# Altium PCB Плата верхняя версия 7 обычная(pretraced).PcbDoc (part 1 of 2) (continued)
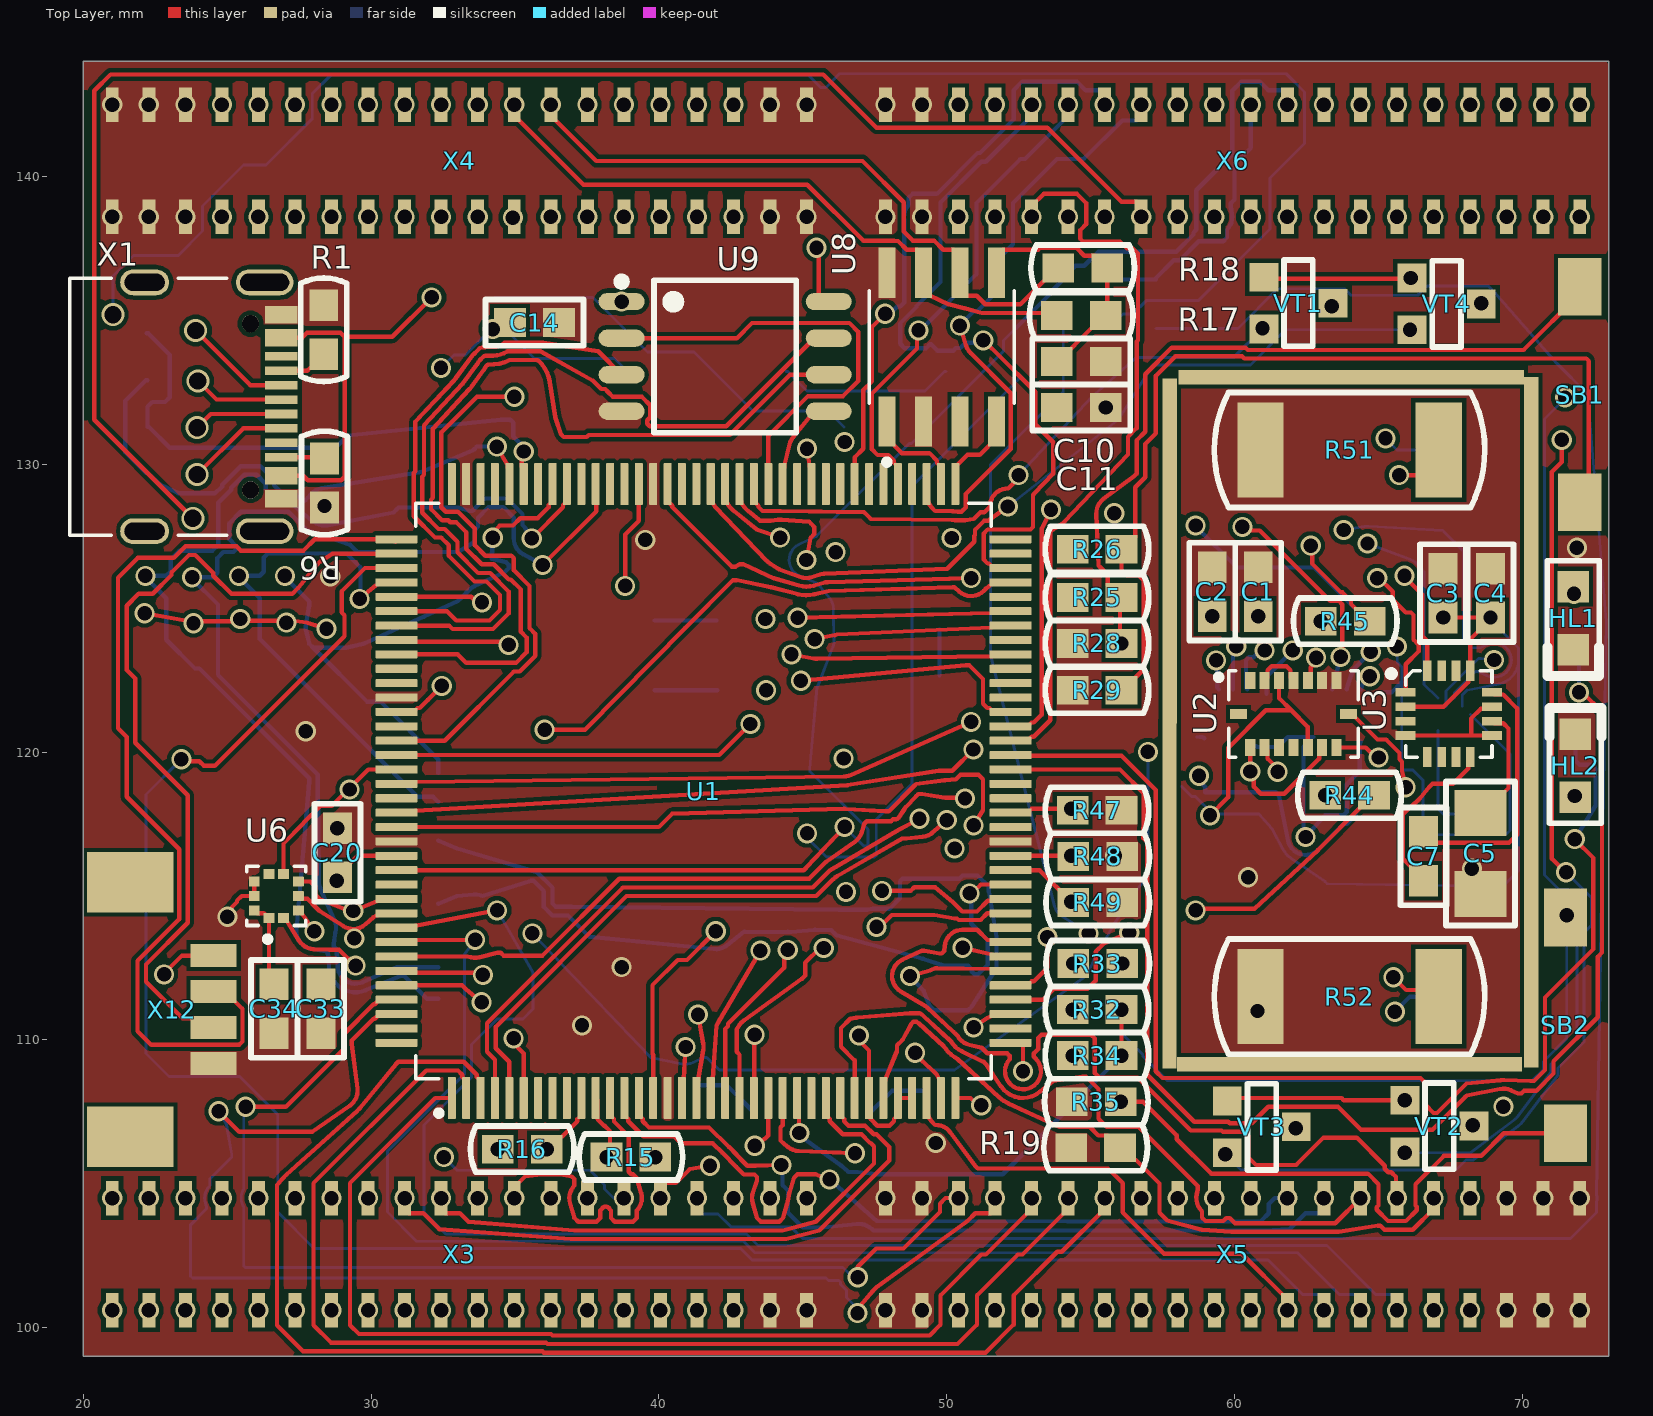
[diagram p0: Top Layer view]
## Nets (pads, with @x,y where several pads share a name; then routed paths per layer and width w, separated by ;. In a path a pad name is that pad's centre, name@x,y a point inside that pad or via, vN(x,y) a via of type N, cw(c..) or ccw(c..) an arc to the next point about the centre after c; other vN are vias at no path point) (continued)
NetR7_2: R7.2 X3.36 X7.36 | length 35.2
  Layer 1 w0.15: v1(42.59,104.5) 42.59,110.356 45.1,112.866 45.1,117.125 v1(45.15,117.175)
  Bottom Layer w0.1: v1(45.15,117.175) 45.15,117.025 45.825,116.35 47.491,116.35 47.55,116.409 47.55,117.652 48.8,118.903 48.8,129.25 52.5,132.95 R7.2@52.5,133
NetR8_1: R8.1 X3.34 X7.34 | length 78.4
  Bottom Layer w0.1: v1(41.32,104.5) 41.32,104.11 41.48,103.95 42.053,103.95 42.503,103.5 44.583,103.5 44.983,103.1 71.682,103.1 72.577,103.995 72.583,104.36 ccw(c72,104.5) 72.588,104.619 72.588,104.629 ; R8.1@57.275,134.725 60.126,134.725 61.501,136.1 63.825,136.1 64.05,135.875 66.374,135.875 66.699,136.2 68.824,136.2 68.998,136.025 cw(c68.575,135.6) 69.026,135.995 71.203,133.511 72.253,132.461 72.279,132.435 72.921,124.529 72.825,118.769 72.825,118.028 72.812,118.016 72.588,104.63
NetR8_2: R8.2 R10.2 U1.124 X6.22 X10.22 | length 60.8
  Top Layer w0.15: U1.124@30.88,119.895 42.095,119.895 v1(43.175,120.975)
  Layer 2 w0.15: v1(43.175,120.975) 44.093,121.645 ccw(c43.725,122.15) 44.313,122.362 44.017,123.183 cw(c44.605,123.395) 43.996,123.255 cw(c44.605,123.395) 43.981,123.409 43.243,124.198 cw(c43.7,124.625) 43.312,125.115 43.763,125.472 ccw(c43.67,125.589) 43.807,125.53 43.82,125.558 43.82,125.589 43.82,125.595 cw(c44.443,125.64) 43.82,125.683 43.82,125.687 ccw(c43.67,125.688) 43.817,125.715 43.586,126.961 cw(c44.2,127.075) 43.584,127.178 43.587,127.461 cw(c44.212,127.454) 43.597,127.567 44.223,130.983 44.257,131.017 46.875,133.635 46.875,142.875 47.125,143.125 59.826,143.125 60.451,142.5 v1(60.57,142.5)
  Bottom Layer w0.15: R10.2@55.675,136.425 R8.2@57.275,136.425 57.275,136.475 57.891,137.091 58.103,137.091 58.762,137.75 58.972,137.75 59.608,137.75 59.74,137.882 59.74,138.156 ccw(c59.3,138.6) 59.917,138.702 59.875,138.951 59.875,139.075 60,139.2 60,140.428 60.57,140.998 v1(60.57,142.5)
NetR9_1: R9.1 X3.32 X7.32 | length 41.9
  Top Layer w0.15: v1(40.05,104.5) 40.05,104.875 40.2,105.025 40.587,105.025 41.075,105.512 v1(41.775,105.625)
  Layer 2 w0.15: v1(41.775,105.625) 41.775,105.653 45.047,108.925 50.252,108.925 50.314,108.925 51.376,109.987 ccw(c50.935,110.43) 51.416,110.031 53.919,113.049 cw(c54.4,112.65) 54.078,113.186 v1(54.934,113.7)
  Bottom Layer w0.1: R9.1@54.05,134.725 54.05,132.517 51.527,129.995 51.527,123.375 53.744,114.652 ccw(c54.325,114.8) 54.002,114.294 v1(54.934,113.7)
NetR10_1: R10.1 X3.30 X7.30 | length 106.5
  Layer 1 w0.15: v2(21.025,135.2) 23.175,133.05 23.175,127.866 24.4,126.641 24.4,126.241 25.391,125.25 28.365,125.25 30.69,122.925 32.709,122.925 34.467,121.167 34.467,115.717 36.225,113.959 36.225,113.441 35.9,113.116 35.9,109.3 v1(32.525,105.925)
  Bottom Layer w0.1: v2(21.025,135.2) 21.025,136.544 21.742,137.261 23.293,137.261 24.14,138.108 24.14,138.983 25.563,140.405 26.347,140.405 27.95,142.008 27.95,142.883 28.592,143.525 45.197,143.525 45.622,143.1 45.8,143.1 46.275,143.575 61.803,143.575 62.44,142.938 62.44,141.146 61.24,139.946 61.24,138.182 58.758,135.7 56.953,135.7 56.478,135.225 56.125,135.225 55.675,134.775 R10.1@55.675,134.725 ; v1(32.525,105.925) 32.983,105.467 37.601,105.467 38.109,104.959 38.109,104.816 38.425,104.5 X7.30@38.765,104.5 v1(38.78,104.5)
NetR11_2: R11.2 U1.98 X2.7 | length 39.8
  Top Layer w0.15: v1(35.957,126.5) 37.825,128.368 U1.98@37.825,128.983
  Bottom Layer w0.15: X2.7@32.325,112.525 31.665,112.525 30.907,112.525 30.893,112.525 29.71,112.005 cw(c29.459,112.577) 28.834,112.553 28.826,112.776 28.824,112.812 28.819,112.838 28.806,113.037 28.791,113.143 28.697,113.254 28.697,113.307 28.697,113.337 28.739,113.664 cw(c29.359,113.583) 28.754,113.741 ccw(c28.15,113.9) 28.722,114.152 28.228,115.273 cw(c28.8,115.525) 28.175,115.52 28.146,119.211 24.675,122.682 24.675,125.125 23.775,126.025 v1(23.775,126.075) 24.5,126.075 24.653,126.228 24.653,126.747 24.857,126.95 25.215,126.95 25.303,127.038 25.303,127.162 25.07,127.395 25.07,127.955 25.465,128.35 27.125,128.35 27.697,127.778 27.741,127.734 29.267,127.2 29.474,126.993 29.518,126.95 32.983,126.95 32.994,126.95 33.022,126.954 33.527,127.265 ccw(c33.448,127.393) 33.598,127.393 33.598,127.727 33.708,127.837 33.708,128.146 34.074,128.512 34.592,128.512 34.958,128.146 34.958,128.021 34.952,127.432 ccw(c35.577,127.426) 35.274,126.88 v1(35.957,126.5)
NetR12_2: R12.2 U1.100 X2.8 | length 41.9
  Top Layer w0.15: v1(35.577,127.426) 35.584,127.426 36.665,128.507 36.665,128.585 36.8,128.72 U1.100@36.8,129.315
  Bottom Layer w0.15: X2.8@32.325,111.425 31.94,111.425 31.14,112.225 31.017,112.225 29.815,111.723 cw(c29.459,112.577) 28.534,112.54 28.526,112.757 28.491,113.019 28.464,113.046 28.428,113.082 27.932,113.156 cw(c28.024,113.774) 27.402,113.828 27.846,118.968 27.846,119.087 24.027,122.906 23.876,122.906 22.878,123.903 22.878,125.347 22.15,126.075 v1(22.15,126.125) 22.875,126.125 23.028,126.278 23.028,126.697 23.332,127 24.483,127 24.683,127.2 24.683,128.665 25.135,129.118 25.135,129.183 25.588,129.635 26.022,129.635 26.33,129.327 26.33,129.145 26.825,128.65 27.249,128.65 27.57,128.329 27.995,128.004 ccw(c28.375,128.5) 28.494,127.886 30.777,128.329 30.904,128.456 30.948,128.5 33.018,128.5 33.408,128.382 ; 33.409,128.382 ccw(c33.452,128.525) 33.558,128.419 33.95,128.812 34.717,128.812 35.258,128.27 35.258,127.892 35.346,127.804 v1(35.577,127.426)
NetR13_2: R13.2 U1.112 X2.2 | length 18.6
  Top Layer w0.15: v1(29.595,125.325) 30.083,125.735 30.22,125.83 U1.112@30.88,125.895
  Bottom Layer w0.15: v1(29.595,125.325) 29.625,125.355 29.625,126.418 29.143,126.9 26.407,126.9 26.266,126.759 26.266,126.266 26.125,126.125 v1(25.4,126.125) 25.4,126.075 26.125,125.35 26.125,123.932 31.607,118.45 32.15,118.45 X2.2@32.325,118.275
NetR14_1: R14.1 U1.101 X2.1 | length 21.7
  Top Layer w0.15: v1(34.223,127.45) 34.223,127.626 34.458,127.861 34.458,127.874 34.925,127.874 35.176,128.125 35.783,128.125 36.165,128.507 36.165,128.585 36.3,128.72 U1.101@36.3,129.315
  Bottom Layer w0.15: v1(27,126.125) 27,126.075 27.85,125.225 27.85,125.101 27.735,124.456 ccw(c28.35,124.346) 27.743,124.199 27.85,123.757 27.982,123.625 ; X2.1@32.325,119.275 32.325,119.75 30.322,121.753 29.853,121.753 27.982,123.625 ; v1(34.223,127.45) 34.209,127.436 34.209,126.943 34.19,126.924 34.19,126.717 34.687,126.599 34.722,126.565 34.775,126.511 34.775,126.387 34.731,126.344 34.644,126.256 33.588,125.767 ccw(c33.85,125.2) 33.406,125.64 33.15,125.382 33.018,125.25 31.836,124.704 29.831,123.805 cw(c29.575,124.375) 29.723,123.768 29.139,123.625 27.982,123.625
NetR15_2: R15.2 U1.11 U3.16 X5.11 X9.11 | length 94.6
  Top Layer w0.15: U1.11@37.8,107.975 37.865,107.91 37.865,107.237 38.087,107.015 38.111,107.015 38.3,106.826 R15.2@38.3,106.175 ; v1(65.909,126.127) 65.909,126.091 66.525,125.475 66.525,124.032 66.7,123.857 U3.16@66.7,122.825
  Layer 2 w0.15: v1(38.175,105.925) 37.275,106.825 35.841,106.825 35.475,106.459 35.475,104.879 35.615,104.739 35.615,104.241 37.656,102.2 44.1,102.2 44.85,101.45 46.327,101.45 46.652,101.125 47.17,101.125 47.495,101.45 53.37,101.45 53.469,101.351 ; v1(54.22,100.6) 53.469,101.351 ; v1(65.909,126.127) 65.412,125.612 cw(c64.962,126.046) 64.795,126.648 ccw(c64.625,127.25) 65.028,126.772 66.808,128.275 72.4,128.275 72.792,127.883 72.875,108.704 cw(c72.25,108.7) 72.875,108.695 72.8,99.539 72.756,99.495 72.361,99.1 54.026,99.1 52.595,100.085 cw(c52.993,100.663) 52.307,100.52 52.305,100.611 ccw(c51.68,100.6) 52.303,100.648 52.296,100.739 cw(c52.993,100.663) 53.013,101.364 53.469,101.351
NetR16_2: R16.2 U1.10 U3.1 X5.9 X9.9 | length 83.6
  Top Layer w0.15: v1(36.1,106.2) 36.525,106.625 36.623,106.625 37.165,107.167 37.165,107.245 37.3,107.38 U1.10@37.3,107.975 ; v1(64.962,126.046) 65.029,126.046 65.5,125.575 65.5,125.3 65.95,124.85 66.137,124.85 66.225,124.762 66.225,123.908 66.4,123.733 66.4,123.5 65.95,123.05 U3.1@65.95,122.075
  Layer 2 w0.15: v1(36.1,106.2) 37,105.3 40.134,105.3 40.675,104.759 40.675,104.261 41.517,103.419 41.561,103.375 41.685,103.375 46.923,103.599 cw(c46.95,102.975) 46.978,103.599 52.329,103.375 54.845,100.859 54.845,100.341 54.479,99.975 53.575,99.975 ; v1(52.95,100.6) 53.575,99.975 ; v1(64.962,126.046) 65.39,126.609 65.675,126.9 65.763,126.988 66.504,126.988 66.508,126.988 70.865,126.775 70.906,126.735 70.95,126.691 70.95,126.567 70.9,115.828 ccw(c71.525,115.825) 70.9,115.815 70.925,114.326 ccw(c71.55,114.325) 70.925,114.321 70.979,105.65 cw(c69.408,104.5) 71.355,104.5 cw(c70.73,104.5) 71.225,104.118 71.225,100.982 cw(c70.73,100.6) 71.345,100.71 71.385,100.489 ccw(c72,100.6) 71.449,100.305 71.551,100.115 cw(c70.342,99.466) 71.711,99.559 cw(c71.561,99.55) 71.562,99.4 54.15,99.4 53.575,99.975
NetR17_1: R17.1 U8.7 X4.24 X8.24 | length 22
  Top Layer w0.15: v1(34.97,142.5) 34.97,142.125 37.377,139.718 45.156,139.718 47.098,137.775 48.181,137.775 48.196,137.76 48.308,137.76 48.608,137.46 48.97,137.46 U8.7@49.19,137.24 ; U8.7@49.19,136.66 49.41,135.86 50.072,135.56 50.609,135.427 cw(c50.459,134.82) 50.624,135.423 51.218,135.26 53.35,135.26 R17.1@53.825,135.175
NetR18_2: R18.2 U8.6 X4.26 X8.26 | length 22.5
  Top Layer w0.15: v1(36.24,142.5) 36.24,142.125 37.823,140.542 47.072,140.542 48.505,139.108 48.505,138.092 48.822,137.775 49.563,137.775 49.878,137.46 50.24,137.46 50.46,137.24 U8.6@50.46,136.66 50.46,136.08 50.68,135.86 51.042,135.86 51.342,135.56 52.56,135.56 53.825,136.825 R18.2@53.875,136.825
NetR19_2: R19.2 U1.31 X5.32 X9.32 | length 25
  Top Layer w0.15: U1.31@47.8,107.975 47.865,108.635 48.264,109.597 ccw(c48.125,109.654) 48.275,109.654 48.275,109.809 48.446,109.979 ccw(c48.339,110.085) 48.47,110.012 48.778,110.563 48.797,110.581 48.841,110.625 48.948,110.625 49.019,110.578 49.027,110.57 49.897,109.771 49.961,109.687 ccw(c50.935,110.43) 50.276,109.397 50.366,109.34 51.821,108.003 ccw(c52.65,108.905) 52.139,107.792 53.919,106.975 53.959,106.975 54.968,106.975 55.268,106.675 55.6,106.675 R19.2@56.025,106.25 56.45,105.825 56.578,105.825 57.395,105.008 57.395,103.992 57.668,103.719 57.722,103.7 58.868,103.4 59.894,103.325 63.629,103.325 64.983,103.543 cw(c65.007,103.395) 65.113,103.501 65.214,103.4 65.749,103.4 66.195,103.4 66.92,104.125 v1(66.92,104.5)
NetR24_1: R24.1 U1.56 | length 47.2
  Top Layer w0.15: U1.56@52.22,119.395 56.023,119.395 56.85,118.568 56.85,117.382 56.834,117.366 56.834,117.009 56.968,116.875 56.968,108.785 58.603,107.15 59.788,107.15 59.838,107.1 60.599,107.1 61.174,107.675 63.601,107.675 64.401,106.875 66.882,106.875 68.026,108.02 68.07,108.063 69.224,108.291 cw(c69.345,107.678) 69.608,108.245 69.849,108.134 69.973,108.134 70.005,108.166 70.064,108.225 70.488,108.225 71.091,108.828 71.091,109.252 72.625,110.786 72.625,112.883 72.775,113.033 72.775,121.4 72.1,122.075 v1(71.975,122.075)
  Bottom Layer w0.15: R24.1@71.8,123.8 71.975,123.625 v1(71.975,122.075)
NetR25_1: R25.1 R28.2 SB1.1 U1.138 | length 57.3
  Top Layer w0.15: U1.138@30.88,112.895 33.343,112.895 33.47,112.866 ccw(c33.61,113.475) 33.765,112.869 34.374,113.025 34.499,113.025 34.599,112.925 35.951,112.925 38.622,115.595 45.157,115.595 45.219,115.595 45.81,116.185 46.81,116.889 ccw(c46.45,117.4) 47.051,117.227 47.131,117.507 47.219,117.595 48.067,117.595 48.136,117.664 48.217,117.664 ccw(c48.216,117.814) 48.341,117.732 48.531,118.023 cw(c49.054,117.68) 48.6,118.11 48.914,118.441 48.917,118.445 49.016,118.544 49.141,118.544 49.946,118.409 49.961,118.408 49.977,118.407 50.615,118.407 v1(50.635,118.387) ; v1(56.075,123.775) 56.025,123.825 56.025,125.375 55.6,125.8 55.6,126.157 55.319,126.438 55.275,126.482 55.201,128.274 cw(c55.825,128.3) 55.453,128.802 56.512,129.588 56.6,129.676 56.6,130.833 56.9,131.133 56.9,133.134 57.823,134.057 60.385,134.057 60.467,133.975 70.05,133.975 72,135.925 SB1.1@72,136.175
  Layer 2 w0.15: v1(50.635,118.387) 50.759,118.512 50.759,118.883 50.937,119.061 50.937,119.213 51.224,119.5 51.8,119.5 v1(56.075,123.775)
NetR26_1: R26.1 R29.2 SB1.2 | length 32.8
  Top Layer w0.15: R29.2@56.075,122.15 56.125,122.15 56.85,122.875 56.85,125.968 56.672,126.147 56.253,126.147 56.075,126.325 R26.1@56.075,127.05 56.125,127.05 56.55,127.475 56.55,129.201 56.9,129.551 56.9,130.709 57.27,131.079 57.27,131.928 57.27,133.08 57.947,133.757 60.261,133.757 60.343,133.675 72.23,133.675 72.318,133.587 72.318,128.993 SB1.2@72,128.675
NetR27_1: R27.1 U1.57 | length 43.5
  Top Layer w0.15: U1.57@52.475,119.875 56.075,119.875 57.268,118.682 57.268,108.909 57.502,108.675 66.468,108.675 66.65,108.493 66.65,107.725 66.917,107.458 67.041,107.458 68.064,108.481 69.254,108.599 cw(c69.345,107.678) 69.38,108.603 70.284,108.569 70.408,108.569 70.791,108.952 70.791,111.473 72.475,113.157 72.475,116.316 v1@71.825,116.966
  Bottom Layer w0.15: v1(71.825,116.975) 72.55,118.142 72.55,119.408 72.522,119.471 72.434,119.559 71.991,119.559 71.85,119.7 R27.1@71.85,120.475
NetR32_1: R32.1 R34.2 SB2.1 U1.25 | length 38.3
  Top Layer w0.15: U1.25@44.8,107.975 44.865,107.315 v1(44.881,106.76) ; v1(56.075,109.45) v1(56.075,111.05)
  Bottom Layer w0.1: v1(56.075,111.05) 56.075,110.228 56.815,109.488 56.815,109.433 57.673,108.575 70.344,108.575 70.741,108.973 70.741,109.245 71.55,110.054 v1(71.55,114.325)
  Bottom Layer w0.15: v1(44.881,106.76) 44.85,106.729 44.85,106.7 46.292,105.656 cw(c45.925,105.15) 46.338,105.619 46.581,105.406 46.892,105.406 cw(c46.892,105.256) 46.91,105.404 47.572,105.325 51.95,105.325 v1(56.075,109.45)
NetR33_1: R33.1 R35.2 SB2.2 | length 24.9
  Top Layer w0.15: v1(56.05,107.85) 56.825,107.85 57.996,106.679 57.996,106.546 59.192,105.35 64.638,105.35 65.005,104.983 65.005,104.241 64.944,104.18 64.944,104.094 65.338,103.7 65.958,103.7 66.335,104.077 66.335,104.201 66.295,104.241 66.295,104.983 67.279,105.966 68.574,105.966 69.358,106.75 SB2.2@71.5,106.75
  Layer 2 w0.15: v1(56.05,107.85) 55.45,108.45 55.45,110.445 55.45,111.05 cw(c56.075,111.05) 55.504,111.303 v1(56.1,112.65)
NetR43_1: R43.1 R48.1 U1.50 | length 22.8
  Top Layer w0.15: U1.50@52.22,116.395 54.32,116.395 v1(54.325,116.4)
  Layer 2 w0.15: v1(54.325,116.4) 57.568,119.643 57.568,126.793 v1(58.65,127.875)
  Bottom Layer w0.15: v1@58.65,127.85 60.087,126.413 62.762,126.413 64.625,124.55 R43.1@64.675,124.55
NetR44_1: R44.1 R49.1 U1.49 | length 14.7
  Top Layer w0.15: U1.49@52.22,115.895 53.23,115.895 v1(54.325,114.8) ; v1@58.7,114.55 60.638,114.55 60.7,114.55 62.9,116.592 ccw(c62.475,117.05) 62.918,116.609 64.375,118.075 R44.1@64.85,118.5
  Layer 1 w0.15: v1(54.325,114.8) 54.501,114.8 54.801,114.5 v1(58.65,114.5)
NetR45_1: R45.1 R50.1 U1.22 | length 36
  Top Layer w0.15: U1.22@43.3,107.975 43.313,107.988 43.313,110.163 v1(43.325,110.175) ; v1@62.7,127.225 62.7,126.55 63.7,125.55 63.757,125.55 64.05,125.257 64.05,125.15 64.65,124.55 R45.1@64.7,124.55
  Layer 2 w0.15: v1(43.325,110.175) 45.717,112.567 47.085,112.567 57.125,122.607 57.125,126.81 58.025,127.71 58.025,128.134 58.391,128.5 61.325,128.5 v1(62.65,127.175)
NetR46_1: R46.1 R47.1 U1.53 | length 16
  Top Layer w0.15: U1.53@52.22,117.895 52.815,117.895 52.945,118.025 v1(54.325,118.025)
  Layer 1 w0.15: v1(54.325,118.025) 55.306,119.006 55.35,119.05 v1(58.768,119.176)
  Bottom Layer w0.15: v1(58.768,119.176) 58.768,119 58.985,118.784 58.985,118.6 61.433,118.6 61.55,118.483 61.862,116.927 ccw(c62.475,117.05) 62.921,116.612 63.419,117.119 63.8,117.5 63.907,117.5 64.2,117.793 64.2,117.9 64.8,118.5 R46.1@64.85,118.5
NetR51_1: R51.1 VT1.2 | length 8.7
  Top Layer w0.15: v1(65.725,129.625) 66.375,129.625 67.1,130.35 R51.1@67.1,130.5
  Layer 2 w0.15: v1(63.375,135.5) 63.375,131.891 65.641,129.625 v1(65.725,129.625)
NetR52_1: R52.1 VT2.2 | length 8.2
  Top Layer w0.15: v1(65.525,112.175) 65.967,111.733 66.867,111.733 R52.1@67.1,111.5
  Layer 2 w0.15: v1(65.525,112.175) 68.35,109.35 68.35,107.103 v1(68.277,107.03)
NetR53_1: R53.1 VT3.2 | length 7.2
  Layer 2 w0.15: v1(62.125,106.925) 65.55,110.35 65.55,110.95 v1(65.575,110.975)
  Bottom Layer w0.15: v1(65.575,110.975) 66.1,111.5 R53.1@67.1,111.5
NetR54_1: R54.1 VT4.2 | length 8.1
  Layer 2 w0.15: v1(65.25,130.9) 68.575,134.225 v1(68.575,135.6)
  Bottom Layer w0.1: v1(65.25,130.9) 65.65,130.5 R54.1@67.1,130.5
NetU1_1: U1.1 X5.10 X9.10 | length 36.3
  Top Layer w0.15: U1.1@32.8,107.975 32.222,107.975 29.265,105.018 29.265,100.082 29.572,99.775 36.249,99.775 36.299,99.725 49.408,99.725 49.785,100.102 49.785,101.118 51.203,102.537 51.362,102.537 52.95,104.125 v1(52.95,104.5)
NetU1_2: U1.2 X5.12 X9.12 | length 42.1
  Top Layer w0.15: U1.2@33.3,107.975 33.3,108.57 33.165,108.705 33.165,108.783 33.013,108.935 31.912,108.935 27.995,105.018 27.995,100.082 28.602,99.475 36.074,99.475 36.124,99.425 50.378,99.425 51.055,100.102 51.055,101.118 52.473,102.537 52.632,102.537 54.22,104.125 v1(54.22,104.5)
NetU1_3: U1.3 X5.14 X9.14 | length 46.9
  Top Layer w0.15: U1.3@33.8,107.975 33.8,108.57 33.665,108.705 33.665,108.783 33.213,109.235 30.942,109.235 30.854,109.147 29.615,107.638 cw(c28.9,108.225) 29.52,107.539 27.042,105.3 26.925,105.183 26.725,104.956 26.725,100.082 27.632,99.175 35.95,99.175 36,99.125 51.348,99.125 52.325,100.102 52.325,101.118 53.841,102.634 53.999,102.634 55.49,104.125 v1(55.49,104.5)
NetU1_4: U1.4 X6.5 X10.5 | length 42.9
  Top Layer w0.15: U1.4@34.3,107.975 34.3,109.31 34.025,109.585 34.025,110.574 38.746,115.295 45.344,115.295 45.934,115.885 48.346,117.31 ; 48.347,117.31 48.385,117.329 v1(49.054,117.68)
  Layer 1 w0.15: v1(49.054,117.68) 49.319,118.364 49.384,118.574 49.384,118.644 48.7,125.101 48.7,125.474 50.018,126.792 50.165,126.792 50.33,126.835 ccw(c50.172,127.44) 50.795,127.397 50.803,127.5 49.84,134.733 cw(c50.459,134.82) 49.868,135.026 50.9,137.991 50.9,138.11 v1(50.41,138.6)
NetU1_5: U1.5 X6.7 X10.7 | length 43.2
  Top Layer w0.15: U1.5@34.8,107.975 34.8,109.234 34.325,109.709 34.325,110.45 38.87,114.995 45.468,114.995 46.058,115.585 cw(c46.499,115.143) 46.187,115.684 48.462,116.995 48.586,116.995 ccw(c48.586,117.145) 48.601,116.996 49.172,117.056 ccw(c49.107,117.677) 49.46,117.162 ccw(c49.107,117.677) 49.475,117.173 v1(50.003,117.635)
  Layer 1 w0.15: v1(50.003,117.635) 50.01,118.211 50.01,118.592 cw(c50.16,118.592) 50.012,118.618 50.025,118.689 ccw(c49.877,118.715) 50.027,118.719 50,119.72 49,125.226 49,125.35 49.044,125.394 50.098,126.448 50.142,126.492 50.203,126.492 ccw(c50.183,127.417) 50.296,126.499 50.485,126.566 50.559,126.6 ccw(c50.172,127.44) 51.053,127.158 51.087,127.264 51.109,127.409 51.893,134.237 ccw(c51.272,134.309) 51.897,134.298 51.9,134.479 v1(51.68,138.6)
NetU1_12: U1.12 X3.24 X7.24 | length 11.8
  Top Layer w0.15: v1(34.97,104.5) 34.97,104.875 35.12,105.025 35.345,105.25 ; 35.346,105.25 35.922,105.325 36.558,105.325 36.972,105.25 37.06,105.162 37.06,104.934 ccw(c37.51,104.5) 36.91,104.326 37.06,103.807 37.192,103.675 37.828,103.675 37.96,103.807 37.96,104.066 ccw(c37.51,104.5) 38.023,104.142 cw(c38.145,104.056) 38.267,104.142 ccw(c38.78,104.5) 38.33,104.066 38.33,103.807 38.462,103.675 39.098,103.675 39.23,103.807 39.23,104.066 ccw(c38.78,104.5) 39.38,104.676 39.23,105.192 39.098,105.325 39.038,105.325 38.95,105.413 38.95,105.475 38.95,106.643 38.435,107.158 38.435,107.245 38.3,107.38 U1.12@38.3,107.975
NetU1_13: U1.13 X5.24 X9.24 | length 28.4
  Top Layer w0.15: U1.13@38.8,107.975 38.8,107.38 38.935,107.245 38.935,107.167 39.452,106.65 40.518,106.65 40.768,106.4 41.867,106.4 42.205,106.079 cw(c41.775,105.625) 42.225,106.059 42.682,105.585 42.946,105.321 43.322,105.321 43.41,105.233 43.41,105.109 43.27,104.705 ccw(c43.86,104.5) 43.26,104.326 43.41,103.807 43.542,103.675 44.178,103.675 44.31,103.807 44.46,104.324 ccw(c43.86,104.5) 44.475,104.39 44.515,104.61 cw(c45.13,104.5) 44.533,104.684 44.694,105.207 44.812,105.325 45.448,105.325 v1(45.925,105.15)
  Bottom Layer w0.15: v1(45.925,105.15) 47.572,103.7 60.774,103.675 60.898,103.675 60.942,103.719 61.195,103.972 61.195,104.295 61.4,104.5 v1(61.84,104.5)
NetU1_14: U1.14 X5.26 X9.26 | length 27.7
  Top Layer w0.15: U1.14@39.3,107.975 39.3,107.38 39.435,107.245 39.435,107.167 39.652,106.95 41.741,106.95 42.42,106.288 cw(c41.775,105.625) 42.439,106.269 42.982,105.709 43.07,105.621 43.132,105.621 43.352,105.621 v1(44.253,105.65)
  Bottom Layer w0.15: v1(44.253,105.65) 44.295,105.608 44.295,104.949 44.485,104.759 44.485,103.987 44.997,103.475 45.716,103.475 46.885,103.597 cw(c46.95,102.975) 47.302,103.491 47.473,103.375 61.022,103.375 61.912,103.419 62.468,103.975 62.97,103.975 63.11,104.115 v1(63.11,104.5)